# Altium PCB 51.PcbDoc
Units mil, origin at the board's own origin, x right, y up, seen from the top; angles counter-clockwise.
Board outline 3680 x 3400 mil, 2 copper layers (Top Layer, Bottom Layer); 30 components, 80 nets, 204 pads, 48 vias.
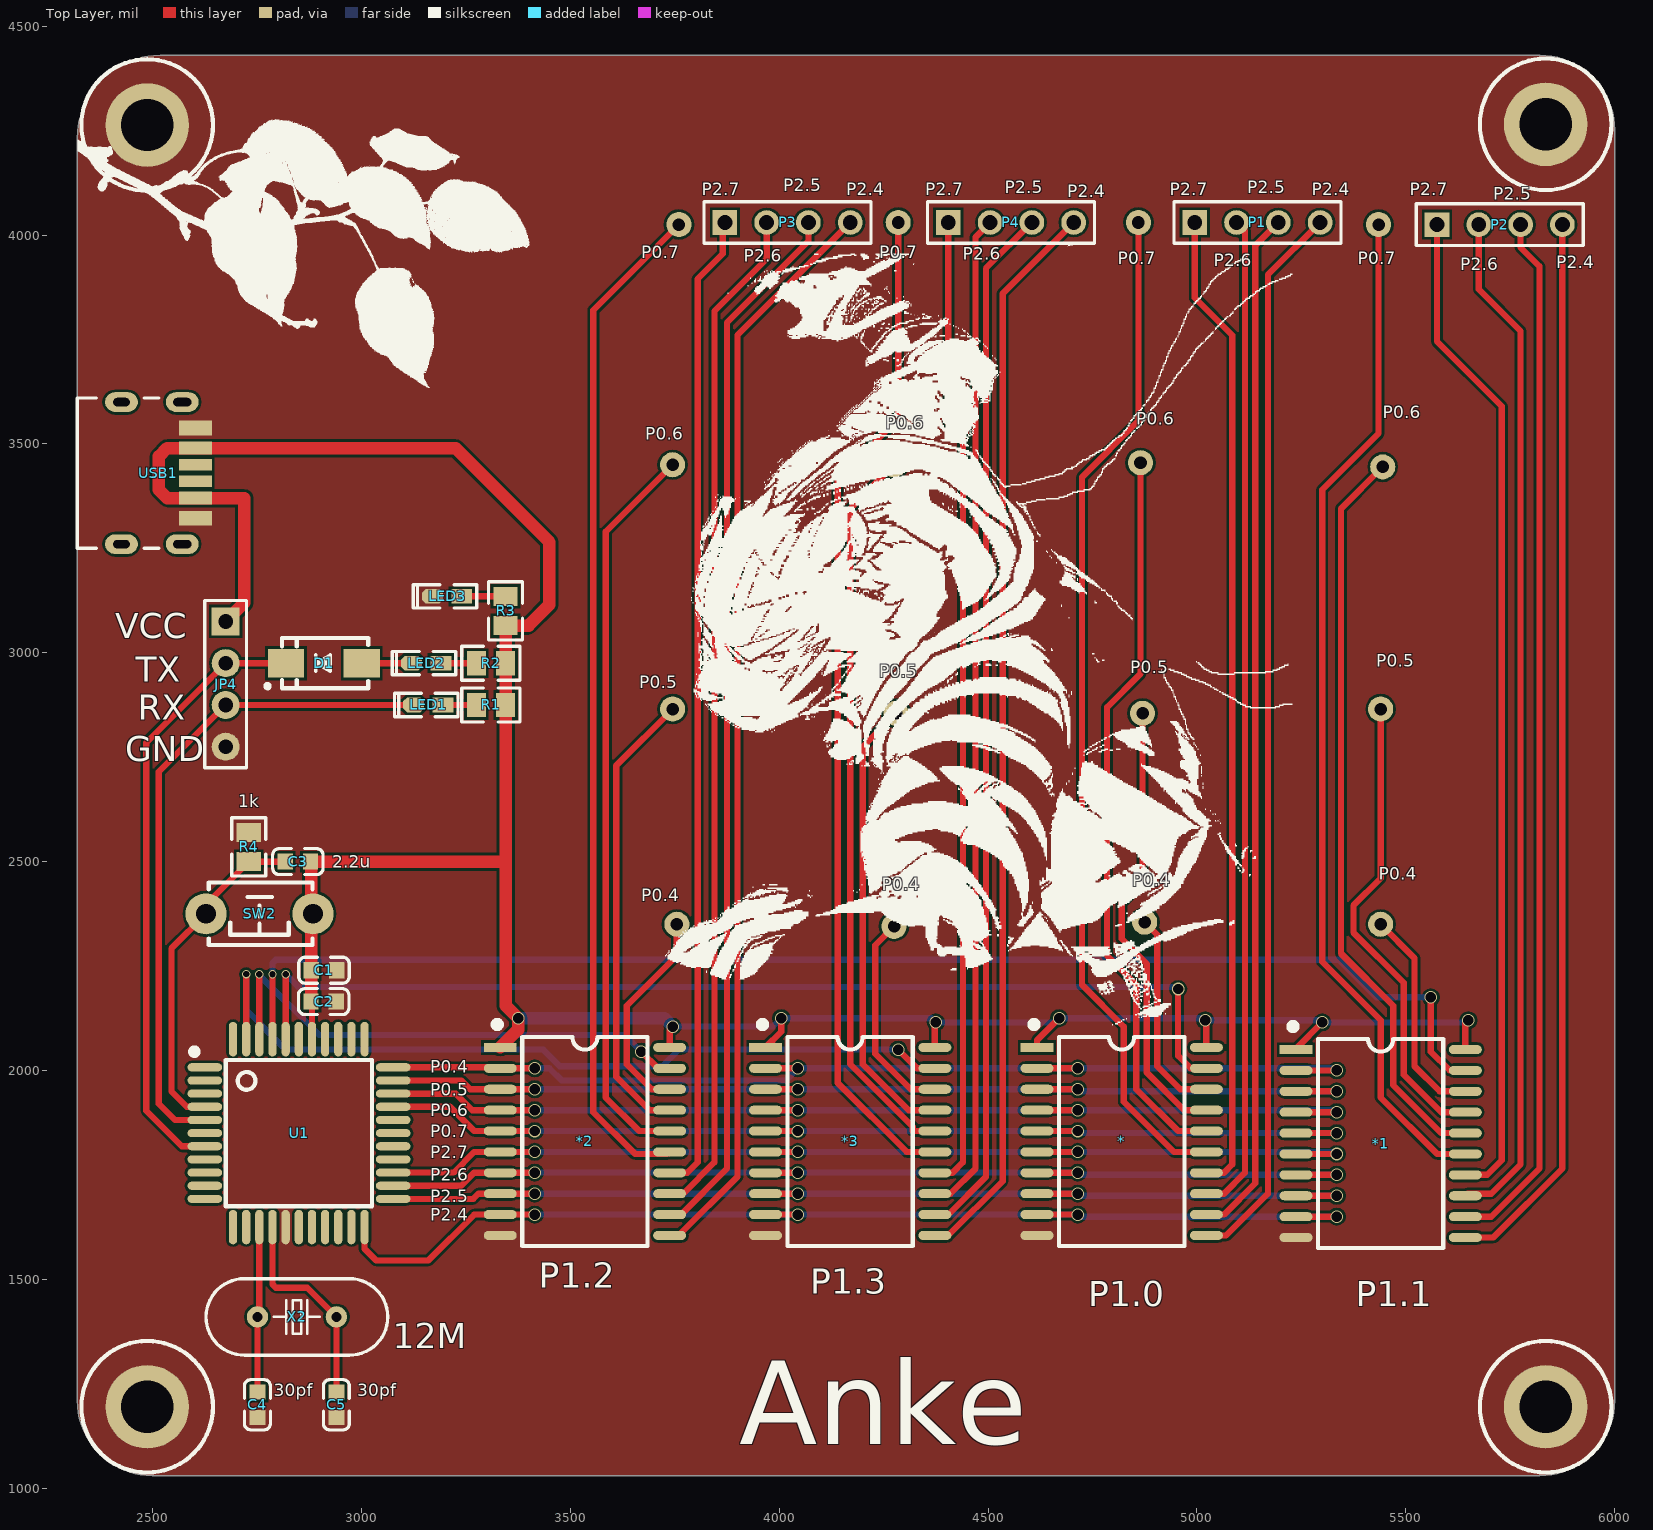
[diagram p0: Top Layer view]
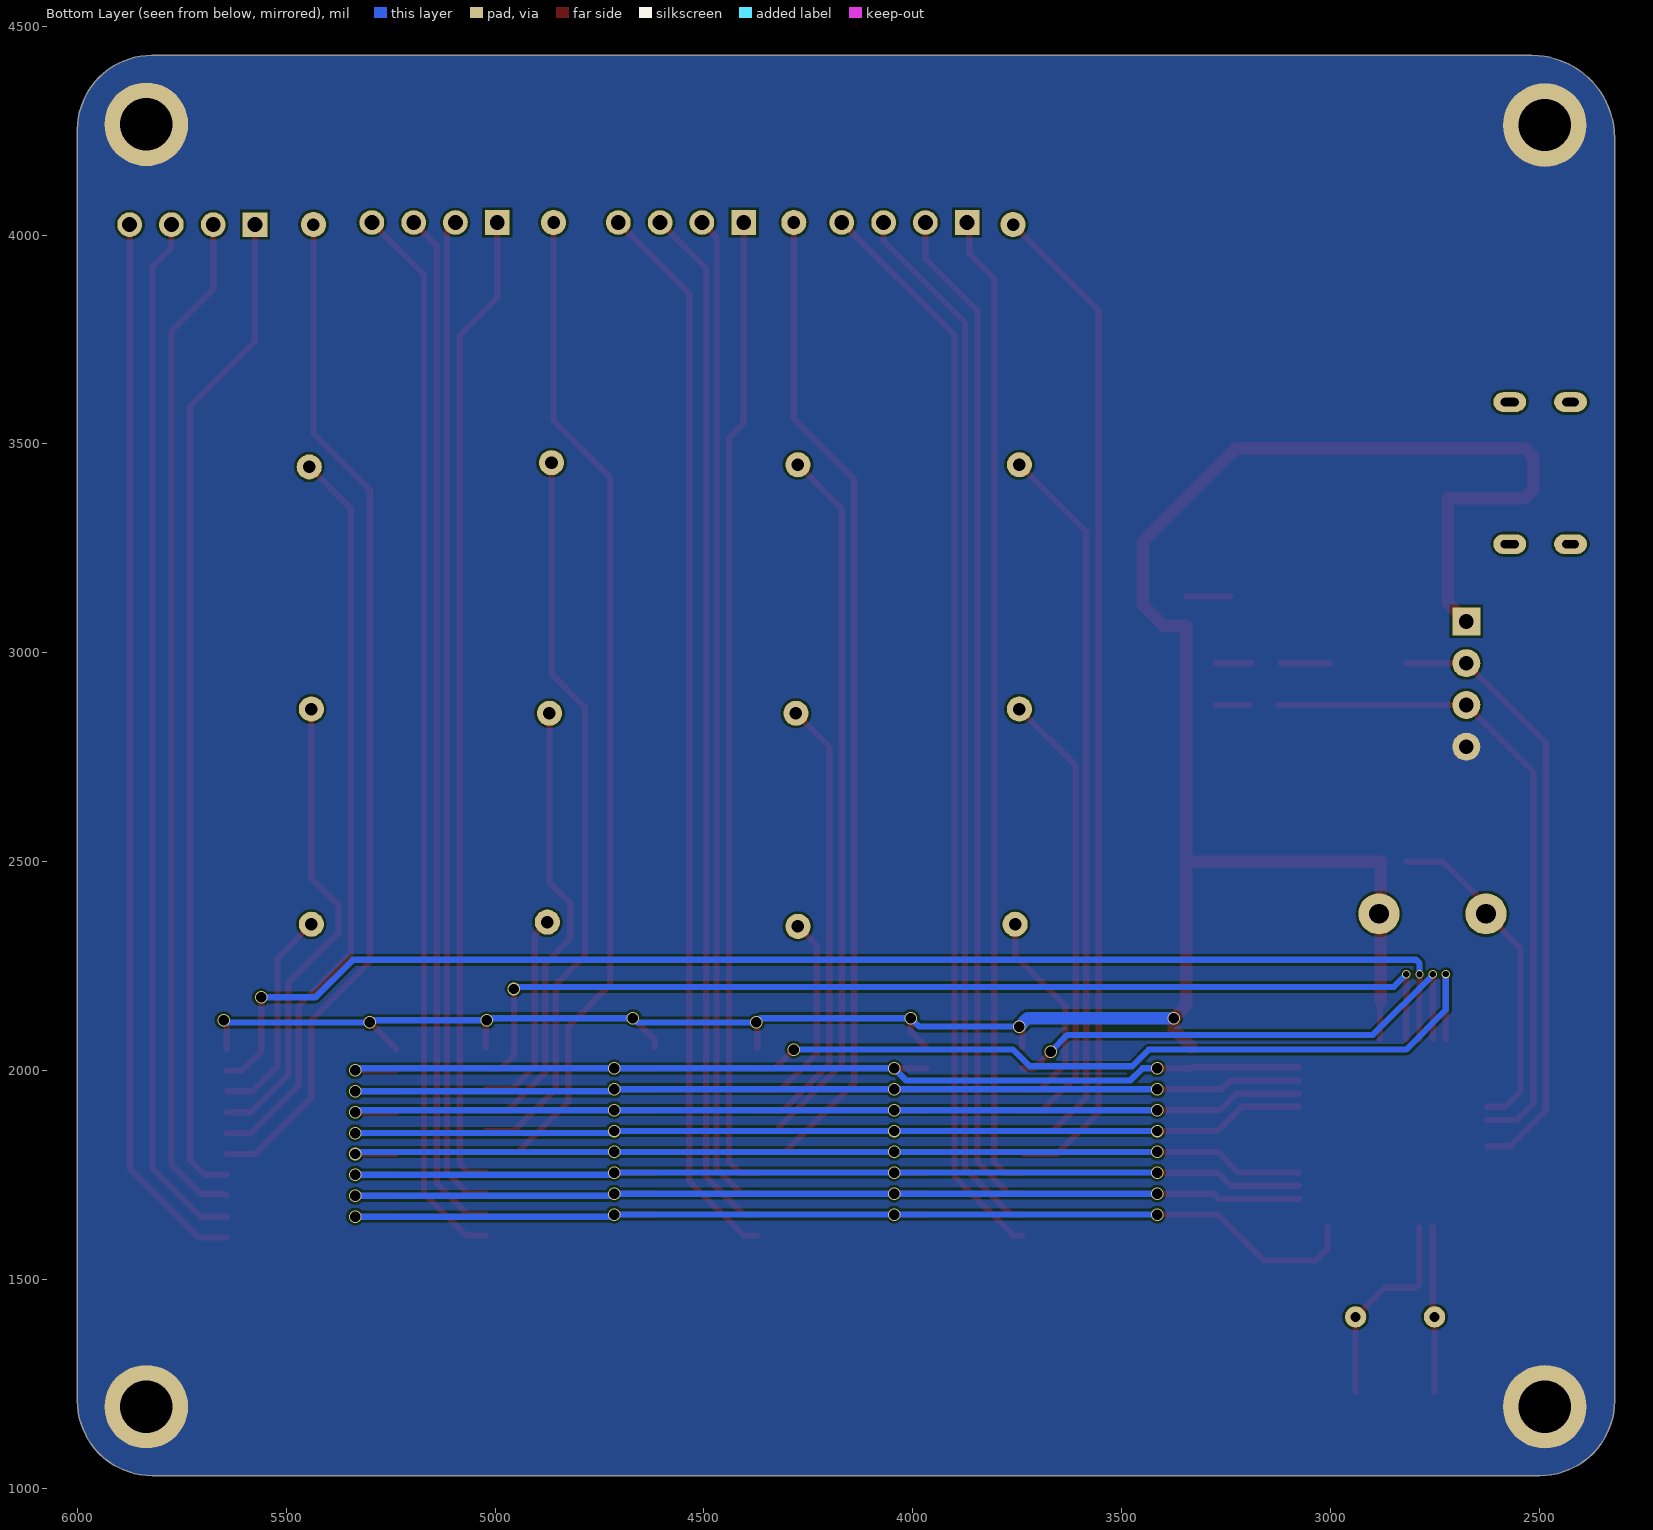
[diagram p1: Bottom Layer view, seen from below]

## Layer stack, top to bottom
Top Solder: solder mask 0.4, Solder Resist, Dk 3.5
Top Layer: signal copper 1.4
Dielectric 1: dielectric 12.6, FR-4, Dk 4.8
Bottom Layer: signal copper 1.4
Bottom Solder: solder mask 0.4, Solder Resist, Dk 3.5

## Board outline
2320,1209.16 ccw(c2499.16,1209.16) 2499.16,1030 5820.84,1030 ccw(c5820.84,1209.16) 6000,1209.16 6000,4251.52 ccw(c5821.52,4251.52) 5821.52,4430 2517.91,4430 ccw(c2517.91,4232.09) 2320,4232.09

## Design rules (kind name [scope] priority, off if disabled: settings)
Clearance [All] p1: gap=6 ignorepadtopadclearanceinfootprint=FALSE
DiffPairsRouting [All] p1: maxlimit=10 minlimit=6 mostfreqgap=10 toplayer_minwidth=15 toplayer_maxwidth=15 toplayer_prefwidth=15 bottomlayer_minwidth=15 bottomlayer_maxwidth=15 bottomlayer_prefwidth=15 maxuncoupledlength=500
PolygonConnect [All] p1: connectstyle=Direct reliefconductorwidth=10 reliefentries=4 polygonreliefangle="90 Angle" airgapwidth=10
RoutingVias [All] p1: holewidth=18 width=35 viastyle="Through Hole" minholewidth=18 minwidth=35 maxholewidth=28 maxwidth=50
SolderMaskExpansion [All] p1: expansion=4
Width [All] p1: maxlimit=30 minlimit=15 preferedwidth=18 minimp=50.000000 maximp=50.000000 favimp=50.000000
29 further rules are at their usual default settings.

## Components (designator, comment, footprint, x,y, rotation, side; value= is the part's Value field where it differs from the comment)
* "Component_1" SOP20_N 4820,1830 r0 top
*1 "Component_1" SOP20_N 5440,1825 r0 top
*2 "Component_1" SOP20_N 3535,1830 r0 top
*3 "Component_1" SOP20_N 4170,1830 r0 top
C1 "2.2u" 0603_C 2910.32,2240 r180 top
C2 "104" 0603_C 2909.68,2165 r180 top
C3 "2.2u" 0603_C 2847.68,2500 r0 top
C4 "30p" 0603_C 2751.02,1199.68 r90 top
C5 "30P" 0603_C 2940,1199.68 r90 top
D1 "B5919WS" SMA 2910,2975 r180 top
JP4 "HDR-1X4" HDR2.54-LI-4P 2675,2925 r270 top
LED1 "红色" "LED 0603R" 3160,2875.26 r180 top
LED2 "红色" "LED 0603R" 3155,2975.26 r180 top
LED3 "红色" "LED 0603R" 3205,3135.26 r180 top
P1 "Header 4" HDR1X4 4995,4030 r0 top
P2 "Header 4" HDR1X4 5575,4025 r0 top
P3 "Header 4" HDR1X4 3870,4030 r0 top
P4 "Header 4" HDR1X4 4405,4030 r0 top
R1 "3.3KΩ (3301) ±1%" 0805_R 3309.96,2875 r0 top
R2 "3.3KΩ (3301) ±1%" 0805_R 3310.04,2975 r0 top
R3 "3.3KΩ (3301) ±1%" 0805_R 3345,3099.96 r270 top
R4 "1k" 0805_R 2730,2534.96 r270 top
SW2 "3x6x5" "TSW DIP-3*6*5" 2756.02,2375 r180 top
U1 "STC89C52RC" "TQFP44 10x10_M" 2850,1850 r270 top
USB1 "USB-C" USB-C/S_C 2325,3430 r270 top
X2 "12MHz" "OSC HC-49S" 2845.51,1410 r0 top
? "M3铜柱" M3x4_L 2487,1195 r0 top
? "M3铜柱" M3x4_L 5835,4265 r0 top
? "M3铜柱" M3x4_L 5835,1195 r0 top
? "M3铜柱" M3x4_L 2487,4263.2 r0 top

## Footprints (in the part's own frame and the unit in brackets; to place one, negate y for a bottom-side part, rotate by r counter-clockwise, add the part's x,y. Pads: shape width x height; smd on the part's side, far side on the other; paste and mask are expansions set on the pad)
0603_C [mm]
  rect 0.93x0.98 smd: 1(-0.77,0) 2(0.77,0)
  silkscreen extent -1.53,-0.79 1.54,0.79, body extent -0.8,-0.4 0.8,0.4, height 0.3
0805_R [mm]
  rect 1.16x1.47 smd: 1(-0.89,0) 2(0.89,0)
  silkscreen extent -1.77,-1.04 1.77,1.03, body extent -1,-0.62 1,0.63, height 0.49
HDR1X4 [mm] "Connector; Header; 4 Position"
  rect 1.5x1.5 hole 0.9: 1(0,0)
  round 1.5 hole 0.9: 2(2.54,0) 3(5.08,0) 4(7.62,0)
  silkscreen extent -1.27,-1.27 8.89,1.27
HDR2.54-LI-4P [mm] "排针，4脚"
  rect 1.7x1.7 hole 0.9: 1(-3.81,0)
  round 1.7 hole 0.9: 2(-1.27,0) 3(1.27,0) 4(3.81,0)
  silkscreen extent -5.08,-1.27 5.08,1.27, body extent -5.08,-1.27 5.08,1.27, height 8.5
"LED 0603R" [mil] "红色0603LED                                           淘宝ID:黄晶宝石"
  rect 50x35 smd: 1(-35,0.26)
  oct 50x35 smd: 2(35,0.26)
  silkscreen extent -71,-28 81,28, body extent -31,-16 31,16, height 18
M3x4_L [mil] "M3铜柱，长：4mm"
  round 200 hole 125: 1(0,0)
  silkscreen extent -157,-157 157,157, body extent -106,-93 106,93, height 159
"OSC HC-49S" [mm] "封装库来自淘宝卖家 ID：黄晶宝石"
  round 1.3 hole 0.6: 1(-2.4,0) 2(2.4,0)
  silkscreen extent -5.52,-2.32 5.52,2.33, body extent -5.52,-2.32 5.53,2.33, height 4.13
SMA [mm] "4.5x2.6*2.2mm（长宽高，不包括引脚）"
  rect 2.2x1.75 smd: 1(-2.3,0) 2(2.3,0)
  silkscreen extent -2.7,-1.52 3.56,1.52, body extent -2.53,-1.3 2.58,1.3, height 2.15
SOP20_N [mm] "13*10.6*2.6（长宽高）"
  rect 2x0.55 smd: 1(-5.15,5.715)
  oval 2x0.55 smd: 2(-5.15,4.445) 3(-5.15,3.175) 4(-5.15,1.905) 5(-5.15,0.635) 6(-5.15,-0.635) 7(-5.15,-1.905) 8(-5.15,-3.175) 9(-5.15,-4.445) 10(-5.15,-5.715) 11(5.15,-5.715) 12(5.15,-4.445) 13(5.15,-3.175) 14(5.15,-1.905) 15(5.15,-0.635) 16(5.15,0.635) 17(5.15,1.905) 18(5.15,3.175) 19(5.15,4.445) 20(5.15,5.715)
  silkscreen extent -5.49,-6.35 3.81,7.27, body extent -5.15,-6.35 5.15,6.35, height 2.7
"TQFP44 10x10_M" [mm] "44脚，体宽：10x10mm, 脚距：0.8mm"
  oval 0.5x2.1 smd: 1(-4,-5.715) 2(-3.2,-5.715) 3(-2.4,-5.715) 4(-1.6,-5.715) 5(-0.8,-5.715) 6(0,-5.715) 7(0.8,-5.715) 8(1.6,-5.715) 9(2.4,-5.715) 10(3.2,-5.715) 11(4,-5.715) 23(4,5.74) 24(3.2,5.74) 25(2.4,5.74) 26(1.6,5.74) 27(0.8,5.74) 28(0,5.74) 29(-0.8,5.74) 30(-1.6,5.74) 31(-2.4,5.74) 32(-3.2,5.74) 33(-4,5.74)
  oval 2.1x0.5 smd: 12(5.715,-4) 13(5.715,-3.2) 14(5.715,-2.4) 15(5.715,-1.6) 16(5.715,-0.8) 17(5.715,0) 18(5.715,0.8) 19(5.715,1.6) 20(5.715,2.4) 21(5.715,3.2) 22(5.715,4) 34(-5.715,4) 35(-5.715,3.2) 36(-5.715,2.4) 37(-5.715,1.6) 38(-5.715,0.8) 39(-5.715,0) 40(-5.715,-0.8) 41(-5.715,-1.6) 42(-5.715,-2.4) 43(-5.715,-3.2) 44(-5.715,-4)
  silkscreen extent -5.08,-6.48 4.45,4.45, body extent -6,-6 6,6, height 1.05
"TSW DIP-3*6*5" [mm] "3*6*5mm            淘宝ID:黄晶宝石"
  round 2.5 hole 1.2: 1(3.25,0) 2(-3.25,0)
  silkscreen extent -3.21,-1.9 3.09,1.9, body extent -3.91,-1.75 3.91,1.75, height 5.01
USB-C/S_C [mm] "Type-C 6P母座"
  oval 1.2x2 hole 0.5 slot 1.1 at 90 deg: 0(-4.32,6.25) 0(4.32,6.25)
  oval 1.2x2 hole 0.5 slot 1 at 90 deg: 0(-4.32,2.55) 0(4.32,2.55)
  rect 0.7x2 smd: A5(-0.5,7.05) B5(0.5,7.05)
  rect 0.8x2 smd: A9(1.52,7.05) B9(-1.52,7.05)
  rect 0.9x2 smd: A12(2.75,7.05) B12(-2.75,7.05)
  silkscreen extent -4.57,-0.13 4.57,4.83, body extent -4.47,0 4.48,7.05, height 3.16

## Part data
C1 C2 C3 C4 C5: library part "0603 1uF (105) 10% 50V", "贴片电容", Package=0603, SuppliersPartNumber=C15849, ComponentLink1Description=供应, ComponentLink1URL=http://www.szlcsc.com/product/details_16531.html, Supplier=LC
D1: library part 1N5819, "肖特基二极管"
JP4: library part "Header 4", "4P接插件", BOM名称=4P, 学习资源=https://shop463601444.taob, 版权归属=·â×
LED1 LED2 LED3: library part LED-SMD, "贴片LED"
P1 P2 P3 P4: "Header, 4-Pin", LatestRevisionDate=17-Jul-2002, LatestRevisionNote="Re-released for DXP Platform.", Publisher="Altium Limited"
R1 R2 R3 R4: library part "0805 3.3KΩ (3301) 1%", "贴片电阻", Package=0805, SuppliersPartNumber=C26010, ComponentLink1URL=http://www.szlcsc.com/product/details_26753.html, Supplier=LC
  R1 R2 R3: ComponentLink1Description=供应商
  R4: ComponentLink1Description=供应
SW2: library part "TSW 3x6", "3x6轻触开关"
U1: library part ATmega32U4, "STC单片机", BOM名称=AVR, 学习资源=www.oooc
USB1: library part USB-C_6P/S, "USB-C_6P型母接口", BOM名称=USB-CÐ
X2: library part XTAL-2P, "2脚无源脚晶振"
? ? ? ?: library part 铜柱大焊盘, "铜柱"

## Free pads (board coordinates)
  round 60 hole 30: 13(5440,2350) 14(5440,2865) 15(5445,3445) 16(5435,4025) 19(4860,4030) 20(4865,3455) 21(4870,2855) 22(4875,2355) 23(4275,2345) 24(4280,2855) 25(4275,3450) 26(4285,4030) 29(3760,4025) 30(3745,3450) 31(3745,2865) 32(3755,2350)

## Via types
v1: diameter 30, hole 25, Top Layer to Bottom Layer, 44 vias
v2: diameter 20, hole 15, Top Layer to Bottom Layer, 4 vias

## Nets (pads, with @x,y where several pads share a name; then routed paths per layer and width w, separated by ;. In a path a pad name is that pad's centre, name@x,y a point inside that pad or via, vN(x,y) a via of type N, cw(c..) or ccw(c..) an arc to the next point about the centre after c; other vN are vias at no path point)
11: *.18 pad.22 | length 498
  Top Layer w15: pad.22 4905,2325 4905,2010 4960,1955 *.18
12: *.17 pad.21 | length 1085.6
  Top Layer w15: pad.21 4870,2450 4820,2400 4820,2315 4880,2255 4880,1995 4970,1905 *.17
13: *.16 pad.20 | length 1771.3
  Top Layer w15: pad.20 4865,2950 4785,2870 4785,2275 4855,2205 4855,1955 4955,1855 *.16
14: *.15 pad.19 | length 2449.8
  Top Layer w15: pad.19 4860,3555 4725,3420 4725,2205 4825,2105 4825,1925 4945,1805 *.15
21: *1.18 pad.13 | length 520.2
  Top Layer w15: pad.13 5521,2269 5521,2009.98 5580.99,1950 *1.18
22: *1.17 pad.14 | length 1136.7
  Top Layer w15: pad.14 5440,2460 5375,2395 5375,2330 5495,2210 5495,1990 5585,1900 *1.17
23: *1.16 pad.15 | length 1793.6
  Top Layer w15: pad.15 5345,3345 5345,2280 5470,2155 5470,1965 5585,1850 *1.16
24: *1.15 pad.16 | length 2462.6
  Top Layer w15: pad.16 5435,3525 5300,3390 5300,2260 5440,2120 5440,1935 5575,1800 *1.15
31: *2.18 pad.32 | length 512.3
  Top Layer w15: *2.18 3695,1955 3635,2015 3635,2155 3755,2275 pad.32
32: *2.17 pad.31 | length 1096.8
  Top Layer w15: *2.17 3690,1905 3610,1985 3610,2730 pad.31
33: *2.16 pad.30 | length 1767.2
  Top Layer w15: *2.16 3665,1855 3585,1935 3585,3290 pad.30
34: *2.15 pad.29 | length 2436.2
  Top Layer w15: *2.15 3732.76,1800 3655,1800 3555,1900 3555,3820 pad.29
41: *3.18 pad.23 | length 501.6
  Top Layer w15: pad.23 4230,2300 4230,2040 4315,1955 *3.18
42: *3.17 pad.24 | length 1091.5
  Top Layer w15: pad.24 4200,2775 4200,2015 4310,1905 *3.17
43: *3.16 pad.25 | length 1753.4
  Top Layer w15: pad.25 4170,3345 4170,2015.3 4319.89,1865.42 4319.89,1855 *3.16
44: *3.15 pad.26 | length 2421.2
  Top Layer w15: pad.26 4285,3560 4140,3415 4140,1970 4305,1805 *3.15
GND: *1.10 *2.10 *3.10 *.10 ?.1 C1.1 C2.1 C4.1 C5.1 JP4.4 LED3.2 R4.1 U1.16 USB1.A12 USB1.B12
Net*1_11: *1.11 P2.4 | length 2560.6
  Top Layer w15: *1.11 5710,1600 5875,1765 P2.4
Net*1_12: *1.12 P2.3 | length 2503.5
  Top Layer w15: *1.12 5705,1650 5820,1765 5820,3925 5775,3970 P2.3
Net*1_13: *1.13 P2.2 | length 2454.7
  Top Layer w15: *1.13 5647.76,1705 5705,1705 5775,1775 5775,3770 5675,3870 P2.2
Net*1_14: *1.14 P2.1 | length 2405.9
  Top Layer w15: P2.1 5575,3745 5730,3590 5730,1785 5695,1750 *1.14
Net*2_11: *2.11 P3.4 | length 2617.1
  Top Layer w15: *2.11 3760,1605 3900,1745 3900,3760 P3.4
Net*2_12: *2.12 P3.3 | length 2528.6
  Top Layer w15: *2.12 3765,1655 3875,1765 3875,3790 4070,3985 P3.3
Net*2_13: *2.13 P3.2 | length 2440.1
  Top Layer w15: *2.13 3770,1705 3845,1780 3845,3817.76 3970,3942.76 P3.2
Net*2_14: *2.14 P3.1 | length 2354.5
  Top Layer w15: *2.14 3780,1755 3805,1780 3805,3895 3865,3955 3865,4025 P3.1
Net*3_11: *3.11 P4.4 | length 2581.5
  Top Layer w15: *3.11 4405,1605 4535,1735 4535,3860 P4.4
Net*3_12: *3.12 P4.3 | length 2490.1
  Top Layer w15: *3.12 4405,1655 4495,1745 4495,3920 P4.3
Net*3_13: *3.13 P4.2 | length 2401.6
  Top Layer w15: *3.13 4410,1705 4470,1765 4470,3995 P4.2
Net*3_14: *3.14 P4.1 | length 2342.1
  Top Layer w15: *3.14 4415,1755 4440,1780 4440,3515 4405,3550 P4.1
Net*_11: *.11 P1.4 | length 2565.4
  Top Layer w15: *.11 5070,1605 5170,1705 5170,3905 P1.4
Net*_12: *.12 P1.3 | length 2471.1
  Top Layer w15: *.12 5065,1655 5140,1730 5140,3975 P1.3
Net*_13: *.13 P1.2 | length 2396.2
  Top Layer w15: *.13 5065,1705 5115,1755 5115,4010 P1.2
Net*_14: *.14 P1.1 | length 2362.8
  Top Layer w15: P1.1 4995,3850 5085,3760 5085,1775 5065,1755 *.14
NetC4_2: C4.2 U1.14 X2.1 | length 396.9
  Top Layer w15: C4.2 X2.1 2755.51,1414.49 U1.14
NetC5_2: C5.2 U1.15 X2.2 | length 502.3
  Top Layer w15: U1.15 2787.01,1487.99 2795,1480 2870,1480 X2.2 C5.2
NetD1_1: D1.1 LED2.2 | length 119.4
  Top Layer w15: D1.1 LED2.2
NetLED1_1: LED1.1 R1.1 | length 79.9
  Top Layer w15: LED1.1 R1.1
NetLED2_1: LED2.1 R2.1 | length 85
  Top Layer w15: LED2.1 R2.1
NetLED3_1: LED3.1 R3.1 | length 105
  Top Layer w15: LED3.1 R3.1
P0.0: U1.37
P0.1: U1.36
P0.2: U1.35
P0.3: U1.34
P0.4: *1.2 *2.2 *3.2 *.2 U1.33 | length 2559.4
  Top Layer w15: U1.33 3329.76,2007.48 *2.2 v1(3415,2005) ; *3.2 v1(4045,2005) ; *.2 v1(4715,2005) ; *1.2 v1(5335,2000)
  Bottom Layer w15: v1(3415,2005) 3450,2005 3479,1976 4016,1976 v1(4045,2005) v1(4715,2005) 5330,2005 v1(5335,2000)
P0.5: *1.3 *2.3 *3.3 *.3 U1.32 | length 2543
  Top Layer w15: U1.32 3239.02,1975.98 3260,1955 *2.3 v1(3415,1955) ; *3.3 v1(4045,1955) ; *.3 v1(4715,1955) ; *1.3 v1(5335,1950)
  Bottom Layer w15: v1(3415,1955) v1(4045,1955) v1(4715,1955) 4720,1950 v1(5335,1950)
P0.6: *1.4 *2.4 *3.4 *.4 U1.31 | length 2550.7
  Top Layer w15: U1.31 3225.51,1944.49 3265,1905 *2.4 v1(3415,1905) ; *3.4 v1(4045,1905) ; *.4 v1(4715,1905) ; *1.4 v1(5335,1900)
  Bottom Layer w15: v1(3415,1905) v1(4045,1905) v1(4715,1905) 5330,1905 v1(5335,1900)
P0.7: *1.5 *2.5 *3.5 *.5 U1.30 | length 2558.4
  Top Layer w15: U1.30 3212.01,1912.99 3270,1855 *2.5 v1(3415,1855) ; *3.5 v1(4045,1855) ; *.5 v1(4715,1855) ; *1.5 v1(5335,1850)
  Bottom Layer w15: v1(3415,1855) v1(4045,1855) v1(4715,1855) 4720,1850 v1(5335,1850)
P1.0: *.19 U1.40 | length 2546.2
  Top Layer w15: U1.40 v2(2818.5,2230) ; v1(4955,2195) 4955,2035 4985,2005 *.19
  Bottom Layer w15: v2(2818.5,2230) 2848.5,2200 4950,2200 v1(4955,2195)
P1.1: *1.19 U1.41 | length 3227
  Top Layer w15: U1.41 v2(2787.01,2230) ; v1(5560,2175) 5560,2045 5605,2000 *1.19
  Bottom Layer w15: v2(2787.01,2230) 2787.01,2257.01 2795,2265 5340,2265 5430,2175 v1(5560,2175)
P1.2: *2.19 U1.42 | length 1231.5
  Top Layer w15: U1.42 v2(2755.51,2230) ; v1(3670,2045) 3710,2005 *2.19
  Bottom Layer w15: v2(2755.51,2230) 2755.51,2228.26 2898.77,2085 3630,2085 v1(3670,2045)
P1.3: *3.19 U1.43 | length 1981.1
  Top Layer w15: U1.43 v2(2724.02,2230.63) ; v1(4285,2050) 4330,2005 *3.19
  Bottom Layer w15: v2(2724.02,2230.63) 2724.02,2145 2819.02,2050 3435,2050 3475,2010 3720,2010 3760,2050 v1(4285,2050)
P1.4: U1.44
P1.5: U1.1
P1.6: U1.2
P1.7: U1.3
P2.0: U1.18
P2.1: U1.19
P2.2: U1.20
P2.3: U1.21
P2.4: *1.9 *2.9 *3.9 *.9 U1.22 | length 2712.3
  Top Layer w15: U1.22 3007.48,1572.52 3035,1545 3160,1545 3270,1655 *2.9 v1(3415,1655) ; *3.9 v1(4045,1655) ; *.9 v1(4715,1655) ; *1.9 v1(5335,1650)
  Bottom Layer w15: v1(3415,1655) v1(4045,1655) v1(4715,1655) 4720,1650 v1(5335,1650)
P2.5: *1.8 *2.8 *3.8 *.8 U1.23 | length 2539.5
  Top Layer w15: U1.23 3267.52,1692.52 3280,1705 *2.8 v1(3415,1705) ; *3.8 v1(4045,1705) ; *.8 v1(4715,1705) ; *1.8 v1(5335,1700)
  Bottom Layer w15: v1(3415,1705) v1(4045,1705) v1(4715,1705) 4720,1700 v1(5335,1700)
P2.6: *1.7 *2.7 *3.7 *.7 U1.24 | length 2548
  Top Layer w15: U1.24 3238.51,1724.02 3269.49,1755 *2.7 3414.49,1755 v1(3415,1755.51) ; *3.7 4044.49,1755 v1(4045,1755.51) ; *.7 4714.49,1755 v1(4715,1755.51) ; *1.7 5334.49,1750 v1(5335,1750.51)
  Bottom Layer w15: v1(3415,1755.51) v1(4045,1755.51) v1(4715,1755.51) 4720,1750.51 v1(5335,1750.51)
P2.7: *1.6 *2.6 *3.6 *.6 U1.25 | length 2554.8
  Top Layer w15: U1.25 3220.52,1755.51 3270,1805 *2.6 v1(3415,1805) ; *3.6 v1(4045,1805) ; *.6 v1(4715,1805) ; *1.6 v1(5335,1800)
  Bottom Layer w15: v1(3415,1805) v1(4045,1805) v1(4715,1805) 5330,1805 v1(5335,1800)
P3.2: U1.8
P3.3: U1.9
P3.4: U1.10
P3.5: U1.11
P3.6: U1.12
P3.7: U1.13
P4.0: U1.17
P4.1: U1.28
P4.2: U1.39
P4.3: U1.6
P4.4: U1.26
P4.5: U1.27
P4.6: U1.29
P4.7: C3.1 R4.2 SW2.1 U1.4 | length 809.3
  Top Layer w15: U1.4 2582.01,1912.99 2545,1950 2545,2291.93 SW2.1 2628.07,2397.99 R4.2 2817.29,2499.92 C3.1
RXD: JP4.3 LED1.2 U1.5 | length 1597.2
  Top Layer w15: U1.5 2553.5,1881.5 2515,1920 2515,2715 JP4.3 LED1.2
TXD: D1.2 JP4.2 U1.7 | length 1469.9
  Top Layer w15: U1.7 2570,1818.5 2485,1903.5 2485,2785 JP4.2 D1.2
VCC: *1.1 *1.20 *2.1 *2.20 *3.1 *3.20 *.1 *.20 C1.2 C2.2 C3.2 JP4.1 R1.2 R2.2 R3.2 SW2.2 U1.38 USB1.A9 USB1.B9 | length 6680.5
  Top Layer w15: C2.2 2881.5,2162.87 U1.38 ; *2.20 3737.76,2097.76 v1(3745,2105) ; *3.1 4005,2092.76 v1(4005,2125) ; *3.20 4372.76,2112.76 v1(4375,2115) ; *.1 4617.24,2072.24 v1(4670,2125) ; v1(5020,2120) 5022.76,2117.25 *.20 ; *1.1 5237.24,2052.25 v1(5300,2115) ; *1.20 5642.76,2112.76 v1(5650,2120)
  Top Layer w30: JP4.1 2719.84,3119.84 2719.84,3370.16 USB1.A9 2535,3370.16 2515,3390.16 2515,3470 2534.84,3489.84 USB1.B9 3225.16,3489.84 3450,3265 3450,3115 3399.92,3064.92 R3.2 3345,2975.08 R2.2 3345.08,2875.08 R1.2 3345,2500 ; C2.2 2879.37,2239.37 C1.2 2880,2498 C3.2 3345,2500 ; *2.1 3375,2097.76 v1(3375,2125) 3345,2155 3345,2500
  Bottom Layer w15: v1(3745,2105) 3985,2105 v1(4005,2125) 4365,2125 v1(4375,2115) 4660,2115 v1(4670,2125) 5015,2125 v1(5020,2120) 5295,2120 v1(5300,2115) 5645,2115 v1(5650,2120)
  Bottom Layer w30: v1(3375,2125) 3725,2125 v1(3745,2105)
pads on no net: USB1.0 USB1.A5 USB1.B5

## Polygon pours and split planes (outlines as drawn)
GND on Top Layer "Top Layer-No Net" (solid, pour order 6): 2320,1209.16 ccw(c2499.16,1209.16) 2499.16,1030 5820.84,1030 ccw(c5820.84,1209.16) 6000,1209.16 6000,4251.52 ccw(c5821.52,4251.52) 5821.52,4430 2517.91,4430 ccw(c2517.91,4232.09) 2320,4232.09
GND on Bottom Layer "Top Layer-No Net1" (solid, pour order 7): 2320,1209.16 ccw(c2499.16,1209.16) 2499.16,1030 5820.84,1030 ccw(c5820.84,1209.16) 6000,1209.16 6000,4251.52 ccw(c5821.52,4251.52) 5821.52,4430 2517.91,4430 ccw(c2517.91,4232.09) 2320,4232.09

## Silkscreen, mask and mechanical layers (free items; w line width, h text height)
Top Overlay:
  drawing of 8841 lines, arcs and shapes, not listed
  text "P2.5" at 4010,4105 h30
  text "P2.5" at 4540,4100 h30
  text "P2.5" at 5120,4100 h30
  text "P2.7" at 3815,4095 h30
  text "P2.4" at 4160,4095 h30
  text "P2.7" at 4350,4095 h30
  text "P2.7" at 4935,4095 h30
  text "P2.4" at 5275,4095 h30
  text "P2.7" at 5510,4095 h30
  text "P2.4" at 4690,4090 h30
  text "P2.5" at 5710,4085 h30
  text "P0.7" at 3670,3945 h30
  text "P0.7" at 4240,3945 h30
  text "P2.6" at 4440,3940.51 h30
  text "P2.6" at 3915,3935.51 h30
  text "P0.7" at 4810,3930 h30
  text "P0.7" at 5385,3930 h30
  text "P2.6" at 5040,3925.51 h30
  text "P2.4" at 5860,3920 h30
  text "P2.6" at 5630,3915.51 h30
  text "P0.6" at 5445,3561 h30
  text "P0.6" at 4855,3546 h30
  text "P0.6" at 4255,3536 h30
  text "P0.6" at 3680,3510 h30
  text "VCC" at 2410,3035 h60
  text "P0.5" at 5430,2966 h30
  text "P0.5" at 4840,2951 h30
  text "P0.5" at 4240,2941 h30
  text "TX" at 2460,2930 h60
  text "P0.5" at 3665,2915 h30
  text "RX" at 2465,2840 h60
  text "GND" at 2435,2740 h60
  text "1k" at 2705,2630 h30
  text "2.2u" at 2930,2485 h30
  text "P0.4" at 5435,2456 h30
  text "P0.4" at 4845,2441 h30
  text "P0.4" at 4245,2431 h30
  text "P0.4" at 3670,2405 h30
  text "P0.4" at 3165,1995 h30
  text "P0.5" at 3165,1940 h30
  text "P0.6" at 3165,1890 h30
  text "P0.7" at 3165,1840 h30
  text "P2.7" at 3165,1790 h30
  text "P2.6" at 3165,1735.51 h30
  text "P2.5" at 3165,1685 h30
  text "P2.4" at 3165,1640 h30
  text "P1.2" at 3425,1480 h60
  text "P1.3" at 4075,1465 h60
  text "P1.0" at 4740,1435 h60
  text "P1.1" at 5380,1435 h60
  text "12M" at 3075,1335 h60
  text "30pf" at 2790,1220 h30
  text "30pf" at 2990,1220 h30
  text "Anke" at 3905,1105 h200
Mechanical 1:
  lines w10: 2525,1135 ccw(c2575,1135) 2575,1085 ; 2320,1209.16 ccw(c2499.16,1209.16) 2499.16,1030 5820.84,1030 ccw(c5820.84,1209.16) 6000,1209.16 6000,4251.52 ccw(c5821.52,4251.52) 5821.52,4430 2517.91,4430 ccw(c2517.91,4232.09) 2320,4232.09 2320,1209.16